# KiCad board Coral Dev Board Micro-PcbDoc.kicad_pcb (continued)
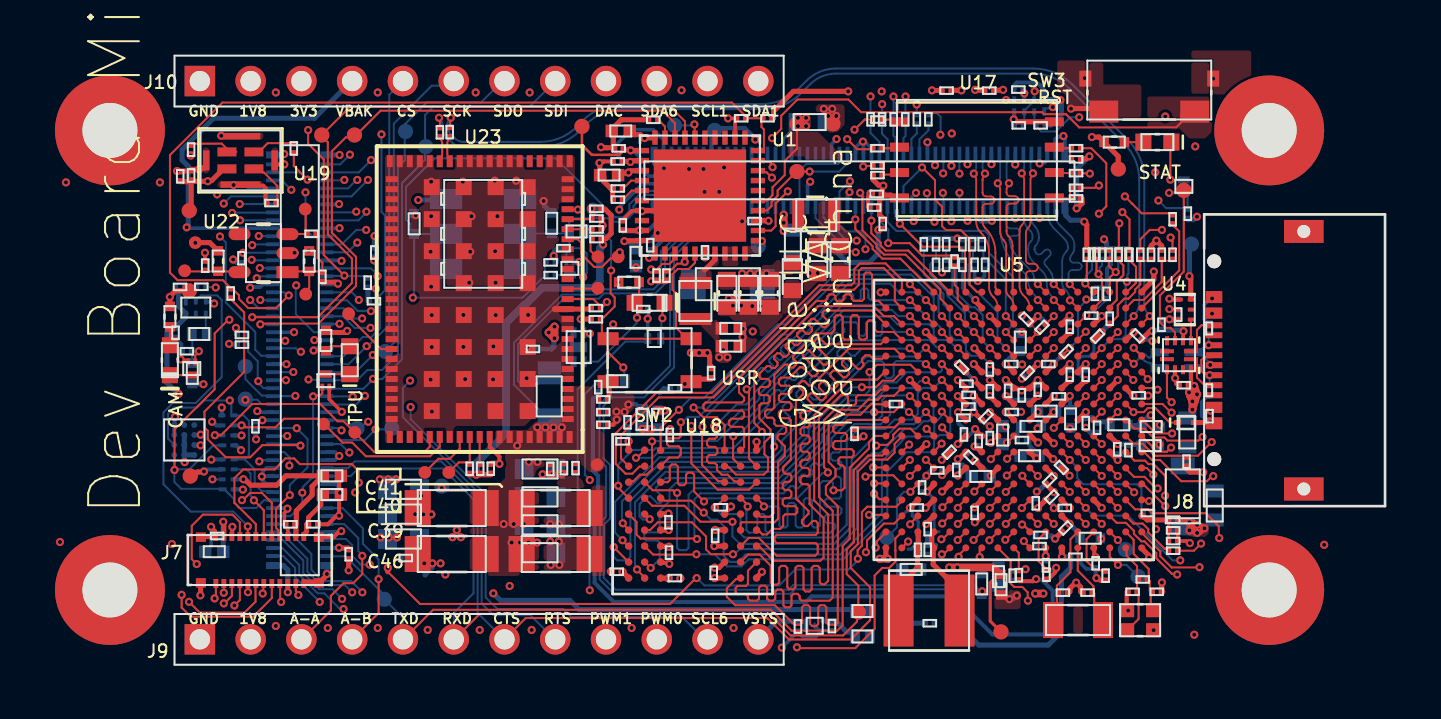
[diagram p0: board, top side]
## Routing (per net, layer and track width the routed paths; a pad name or vN(x,y) marks a point on that pad's centre or on a via; arc(x,y) is an arc through that point) (continued)
MIPI_DSI_D0_N: length 7.9
  Top w0.089: U5.A8 arc(41.81,18.71) 41.78,18.76 41.74,18.8 arc(41.71,18.83) 41.7,18.88 41.7,20.63 arc(41.57,21.29) 41.19,21.86 41.19,21.86 arc(41.09,22) 41.06,22.18 41.06,22.88 arc(41.11,23.01) 41.24,23.07 41.47,23.07 arc(41.6,23.12) 41.66,23.25 arc(41.6,23.38) 41.47,23.44 41.24,23.44 arc(41.11,23.49) 41.06,23.62 41.06,24.29 arc(41.07,24.37) 41.12,24.43 arc(41.16,24.5) v1(41.18,24.58)
  Bottom w0.089: 41.1,25.6 arc(41.07,25.55) 41.06,25.5 41.06,24.87 arc(41.07,24.79) 41.12,24.73
MIPI_DSI_D0_P: length 8
  Top w0.089: 40.74,24.29 40.74,22.17 arc(40.8,21.88) 40.96,21.64 40.97,21.63 arc(41.28,21.17) 41.38,20.62 41.38,18.88 arc(41.43,18.64) 41.57,18.43 41.6,18.4 arc(41.77,18.16) 41.82,17.87 U5.B8 ; 40.74,24.29 arc(40.73,24.37) 40.68,24.43 arc(40.64,24.5) v1(40.62,24.58)
  Bottom w0.089: 40.74,24.87 40.74,25.5 arc(40.73,25.55) J6.79 ; 40.68,24.73 arc(40.73,24.79) 40.74,24.87
MIPI_DSI_D1_N: length 7.9
  Top w0.089: v1(43.58,24.59) arc(43.56,24.51) 43.52,24.45 arc(43.47,24.38) 43.46,24.3 43.46,22.15 arc(43.43,22) 43.34,21.87 arc(43.26,21.74) 43.23,21.59 43.23,20.25 arc(43.28,20.12) 43.41,20.07 43.64,20.07 arc(43.77,20.01) 43.82,19.88 arc(43.77,19.75) 43.64,19.7 43.41,19.7 arc(43.28,19.64) 43.23,19.51 43.23,18.94 arc(43.23,18.88) 43.25,18.81 arc(43.28,18.77) 43.32,18.73 43.37,18.67 arc(43.4,18.65) U5.A10
  Bottom w0.089: 43.52,24.74 arc(43.47,24.81) 43.46,24.88 43.46,25.5 arc(43.47,25.55) 43.5,25.6
MIPI_DSI_D1_P: length 7.9
  Top w0.089: 43.14,24.3 43.14,22.28 arc(43.11,22.13) 43.03,22 arc(42.94,21.87) 42.91,21.72 42.91,18.94 arc(42.96,18.7) 43.09,18.5 43.19,18.4 arc(43.36,18.15) U5.B10 ; 43.14,24.3 arc(43.13,24.38) 43.08,24.45 arc(43.04,24.51) v1(43.02,24.59)
  Bottom w0.089: 43.14,24.88 43.14,25.5 arc(43.13,25.55) J6.91 ; 43.08,24.74 arc(43.13,24.81) 43.14,24.88
Net1: length 2515.6
  In4.Cu w0.013: 2.39,7.49 2.39,17.74 7.39,17.74 7.39,7.49 ; 2.32,26.74 6.32,26.74 6.32,23.74 2.32,23.74 2.32,26.74 ; 21.99,14.39 21.99,16.09 22.79,16.09 22.79,14.39 21.99,14.39 ; 29.99,16.09 30.79,16.09 30.79,14.39 29.99,14.39 29.99,16.09 ; 4.49,22.09 5.29,22.09 5.29,20.39 4.49,20.39 4.49,22.09 ; 1.14,2.99 1.14,7.49 8.64,7.49 8.64,2.99 1.14,2.99
  In9.Cu w0.013: 47.45,28.59 51.35,28.59 arc(52.05,28.69) 51.95,29.39 51.95,30.24 55.9,30.24 arc(58.02,29.36) 58.9,27.24 58.9,20.91 53.8,20.91 arc(53.45,20.76) 53.3,20.41 53.3,20.05 53.09,19.59 arc(53.06,19.49) 53.05,19.38 53.05,11.1 arc(53.06,10.99) 53.09,10.89 53.3,10.43 53.3,10.07 arc(53.45,9.72) 53.8,9.57 58.9,9.57 58.9,3.24 arc(58.02,1.12) 55.9,0.24 -3.1,0.24 arc(-5.22,1.12) -6.1,3.24 -6.1,27.24 arc(-5.22,29.36) -3.1,30.24 46.85,30.24 46.85,29.39 arc(46.75,28.69) 47.45,28.59
  In7.Cu w0.1: 8.2,13.72 8.2,14.72 ; 7.7,14.22 8.7,14.22 ; 24.63,15.82 24.63,16.82 ; 51.13,23.44 51.13,24.44 ; 20.41,19.34 20.41,20.34 ; 50.63,23.94 51.63,23.94 ; 24.13,16.32 25.13,16.32 ; 1.49,14.32 1.49,15.32 ; 19.91,19.84 20.91,19.84 ; 0.99,14.82 1.99,14.82 ; 22.26,25.54 23.46,25.54 23.46,26.14 22.26,26.14 22.26,25.54 ; 23.52,11.33 24.52,11.33 24.52,13.23 23.52,13.23 23.52,11.33 ; 22.2,24.89 23.4,24.89 23.4,25.49 22.2,25.49 22.2,24.89 ; 34.35,12.15 34.95,12.15 34.95,10.95 34.35,10.95 34.35,12.15 ; 15.96,8.98 15.96,10.63 14.83,10.63 14.83,8.98 15.96,8.98 ; 11.94,20.92 11.94,23.22 13.29,23.22 13.29,20.92 11.94,20.92 ; -0.4,13.64 1.2,13.64 1.2,16.84 -0.4,16.84 -0.4,13.64 ; 40.45,20.22 41.58,20.22 41.58,21.87 40.45,21.87 40.45,20.22 ; 41.44,13.05 41.87,12.63 41.02,11.78 40.59,12.2 41.44,13.05 ; 24.13,21.6 24.73,21.6 24.73,20.4 24.13,20.4 24.13,21.6 ; 18.7,11.58 18.7,15.28 20.06,15.28 20.06,11.58 18.7,11.58 ; 30.95,3.14 30.95,11.94 22.15,11.94 22.15,3.14 30.95,3.14 ; 17.37,4.86 20.47,4.86 20.47,6.36 17.37,6.36 17.37,4.86 ; 34.89,28.12 36.02,28.12 36.02,26.47 34.89,26.47 34.89,28.12 ; 6.04,25.01 7.17,25.01 7.17,26.67 6.04,26.67 6.04,25.01 ; 20.92,21.22 20.92,22.35 22.57,22.35 22.57,21.22 20.92,21.22 ; 16.49,8.98 16.49,10.63 15.36,10.63 15.36,8.98 16.49,8.98 ; 16.15,10.41 16.75,10.41 16.75,9.21 16.15,9.21 16.15,10.41 ; 49.46,19.69 50.59,19.69 50.59,21.34 49.46,21.34 49.46,19.69 ; 42.03,29.35 43.68,29.35 43.68,28.22 42.03,28.22 42.03,29.35 ; 47.03,12.36 48.73,12.36 48.73,11.66 47.03,11.66 47.03,12.36 ; 4.37,3.68 4.37,26.8 9.43,26.8 9.43,3.68 4.37,3.68 ; 3.17,19.35 3.17,21.05 2.47,21.05 2.47,19.35 3.17,19.35 ; 51.13,21.47 51.13,23.12 50,23.12 50,21.47 51.13,21.47 ; 40.7,12.06 40.7,12.66 39.5,12.66 39.5,12.06 40.7,12.06 ; 40.86,13.95 41.99,13.95 41.99,15.6 40.86,15.6 40.86,13.95 ; 44.28,13.13 44.28,13.73 45.48,13.73 45.48,13.13 44.28,13.13 ; 21.48,12.98 22.68,12.98 22.68,13.58 21.48,13.58 21.48,12.98 ; 37.26,4.93 38.39,4.93 38.39,6.58 37.26,6.58 37.26,4.93 ; 37.55,12.48 37.55,13.61 35.9,13.61 35.9,12.48 37.55,12.48 ; 31.18,17.04 31.18,20.14 29.68,20.14 29.68,17.04 31.18,17.04 ; 23.34,21.71 23.34,26.77 46.46,26.77 46.46,21.71 23.34,21.71 ; 1.53,23.34 6.33,23.34 6.33,27.14 1.53,27.14 1.53,23.34 ; 41.36,5.36 42.36,5.36 42.36,3.46 41.36,3.46 41.36,5.36 ; 46.81,21.34 47.94,21.34 47.94,19.69 46.81,19.69 46.81,21.34 ; 45.59,6.68 47.29,6.68 47.29,5.98 45.59,5.98 45.59,6.68 ; 25.8,19.95 30.82,19.95 30.82,18.13 25.8,18.13 25.8,19.95 ; 10.54,7.04 13.64,7.04 13.64,5.54 10.54,5.54 10.54,7.04 ; 51.83,9.42 53.53,9.42 53.53,6.52 51.83,6.52 51.83,9.42 ; 25.05,6.53 25.05,7.73 25.65,7.73 25.65,6.53 25.05,6.53 ; 8.88,14.04 9.93,14.04 9.93,16.44 8.88,16.44 8.88,14.04 ; 50.28,16.7 51.41,16.7 51.41,18.35 50.28,18.35 50.28,16.7 ; 5.83,6.73 7.03,6.73 7.03,7.33 5.83,7.33 5.83,6.73 ; 0.89,14.12 2.09,14.12 2.09,15.52 0.89,15.52 0.89,14.12 ; 1.73,18.34 1.73,19.47 0.08,19.47 0.08,18.34 1.73,18.34 ; 21,13.04 21,17.44 27.8,17.44 27.8,13.04 21,13.04 ; 39.8,20.22 39.8,21.87 38.67,21.87 38.67,20.22 39.8,20.22 ; 46.56,25.28 46.56,26.41 44.91,26.41 44.91,25.28 46.56,25.28 ; 23.98,26.97 25.18,26.97 25.18,27.57 23.98,27.57 23.98,26.97 ; 43.3,15.3 43.3,17 42.6,17 42.6,15.3 43.3,15.3 ; 32.12,1.31 32.12,2.51 31.52,2.51 31.52,1.31 32.12,1.31 ; 3.42,19.52 4.55,19.52 4.55,21.17 3.42,21.17 3.42,19.52 ; 47.52,3.85 47.52,5.05 46.92,5.05 46.92,3.85 47.52,3.85 ; 42.31,5.31 43.44,5.31 43.44,3.66 42.31,3.66 42.31,5.31 ; 37.18,26.47 37.18,28.12 36.05,28.12 36.05,26.47 37.18,26.47 ; 23,11.53 23,12.73 23.6,12.73 23.6,11.53 23,11.53 ; 9.73,19.95 10.86,19.95 10.86,18.3 9.73,18.3 9.73,19.95 ; 2.88,17.76 4.01,17.76 4.01,19.41 2.88,19.41 2.88,17.76 ; 27.31,3.99 27.91,3.99 27.91,5.19 27.31,5.19 27.31,3.99 ; 0.62,25.04 1.22,25.04 1.22,23.84 0.62,23.84 0.62,25.04 ; 41.72,10.75 41.72,11.95 41.12,11.95 41.12,10.75 41.72,10.75 ; 7.72,19.35 7.72,21.05 7.02,21.05 7.02,19.35 7.72,19.35 ; 22.01,26.21 23.91,26.21 23.91,27.21 22.01,27.21 22.01,26.21 ; 39.75,12.62 39.75,13.22 40.95,13.22 40.95,12.62 39.75,12.62 ; 2.2,13.43 2.2,15.73 0.85,15.73 0.85,13.43 2.2,13.43 ; 45.72,13.92 45.72,15.12 45.12,15.12 45.12,13.92 45.72,13.92 ; 31.12,26.78 31.12,27.91 29.47,27.91 29.47,26.78 31.12,26.78 ; 20.28,18.93 20.28,20.06 18.63,20.06 18.63,18.93 20.28,18.93 ; 50.19,11.4 50.19,12.85 52.29,12.85 52.29,11.4 50.19,11.4 ; 45.1,31.04 53.7,31.04 53.7,26.33 45.1,26.33 45.1,31.04 ; -0.13,-0.72 31.87,-0.72 31.87,3.33 -0.13,3.33 -0.13,-0.72 ; 44.91,24.04 46.56,24.04 46.56,25.17 44.91,25.17 44.91,24.04 ; 41.75,19.19 41.75,20.84 40.62,20.84 40.62,19.19 41.75,19.19 ; 44.91,22.77 44.91,23.9 46.56,23.9 46.56,22.77 44.91,22.77 ; 24.68,18.65 24.68,20.3 25.81,20.3 25.81,18.65 24.68,18.65 ; 48.66,10.14 48.66,11.34 48.06,11.34 48.06,10.14 48.66,10.14 ; 46.7,17.74 46.7,19.39 47.83,19.39 47.83,17.74 46.7,17.74 ; 43.14,27.56 44.79,27.56 44.79,26.43 43.14,26.43 43.14,27.56 ; -0.29,9.82 -0.29,12.68 2.53,12.68 2.53,9.82 -0.29,9.82 ; 13.83,27.48 14.96,27.48 14.96,25.83 13.83,25.83 13.83,27.48 ; 22.21,19.82 24.51,19.82 24.51,18.47 22.21,18.47 22.21,19.82 ; 27.51,15.44 27.51,16.44 29.41,16.44 29.41,15.44 27.51,15.44 ; 48.43,19.7 48.43,21.35 47.3,21.35 47.3,19.7 48.43,19.7 ; -0.13,27.22 31.87,27.22 31.87,31.27 -0.13,31.27 -0.13,27.22 ; 48.59,11.32 50.29,11.32 50.29,10.62 48.59,10.62 48.59,11.32 ; 45.12,16.32 45.72,16.32 45.72,17.52 45.12,17.52 45.12,16.32 ; 44.48,3.31 44.48,3.91 45.68,3.91 45.68,3.31 44.48,3.31 ; 23.22,19.44 23.22,21.34 24.22,21.34 24.22,19.44 23.22,19.44 ; 21.85,14.49 21.85,17.29 19.85,17.29 19.85,14.49 21.85,14.49 ; 39.38,15.1 39.8,15.53 40.65,14.68 40.23,14.25 39.38,15.1 ; 10.93,20.03 10.93,21.23 10.33,21.23 10.33,20.03 10.93,20.03 ; 38.17,19.19 39.3,19.19 39.3,20.84 38.17,20.84 38.17,19.19 ; 40.96,13.21 40.96,13.81 39.76,13.81 39.76,13.21 40.96,13.21 ; 40.22,19.35 40.22,21 39.09,21 39.09,19.35 40.22,19.35 ; 7.55,8.02 7.55,9.02 9.45,9.02 9.45,8.02 7.55,8.02 ; 2.16,6.14 3.36,6.14 3.36,6.74 2.16,6.74 2.16,6.14 ; 42.05,26.43 42.05,27.56 43.7,27.56 43.7,26.43 42.05,26.43 ; 24.85,12.32 25.98,12.32 25.98,10.67 24.85,10.67 24.85,12.32 ; 35.12,4.75 35.12,19.75 50.12,19.75 50.12,4.75 35.12,4.75 ; 21.48,11.71 21.48,12.31 22.68,12.31 22.68,11.71 21.48,11.71 ; 31.76,1.2 33.56,1.2 33.56,2.7 31.76,2.7 31.76,1.2 ; 27.14,8.44 28.79,8.44 28.79,7.31 27.14,7.31 27.14,8.44 ; 43.52,14.37 44.12,14.37 44.12,13.17 43.52,13.17 43.52,14.37 ; 0.65,15.99 1.85,15.99 1.85,15.39 0.65,15.39 0.65,15.99 ; 17.37,7.65 20.47,7.65 20.47,9.15 17.37,9.15 17.37,7.65 ; 38.17,20.22 39.3,20.22 39.3,21.87 38.17,21.87 38.17,20.22 ; 9.78,17.63 11.43,17.63 11.43,18.76 9.78,18.76 9.78,17.63 ; 51.13,19.69 51.13,21.34 50,21.34 50,19.69 51.13,19.69 ; 40.67,9.74 41.09,10.17 40.25,11.02 39.82,10.59 40.67,9.74 ; 50.45,10.18 50.45,13.08 52.15,13.08 52.15,10.18 50.45,10.18 ; 49.77,6.69 51.42,6.69 51.42,7.82 49.77,7.82 49.77,6.69 ; 0.57,16.97 2.82,16.97 2.82,18.77 0.57,18.77 0.57,16.97 ; 32.06,18.72 32.06,21.82 33.56,21.82 33.56,18.72 32.06,18.72 ; 43.93,4.37 43.93,5.57 44.53,5.57 44.53,4.37 43.93,4.37 ; 21.26,14.72 22.39,14.72 22.39,13.07 21.26,13.07 21.26,14.72 ; 1.87,19.37 1.87,20.57 2.47,20.57 2.47,19.37 1.87,19.37 ; 48.5,8.16 50.15,8.16 50.15,7.03 48.5,7.03 48.5,8.16 ; 20.39,9.24 20.99,9.24 20.99,10.44 20.39,10.44 20.39,9.24 ; 52.11,11.84 52.11,13.04 52.71,13.04 52.71,11.84 52.11,11.84 ; 45.42,7.48 45.84,7.05 44.99,6.21 44.57,6.63 45.42,7.48 ; 22.56,21.77 22.56,22.9 20.91,22.9 20.91,21.77 22.56,21.77 ; 41.56,10.54 41.56,12.44 42.56,12.44 42.56,10.54 41.56,10.54 ; 17.37,6.25 17.37,7.75 20.47,7.75 20.47,6.25 17.37,6.25 ; 40.1,19.19 40.1,20.84 41.23,20.84 41.23,19.19 40.1,19.19 ; 47.72,16.72 47.72,17.92 47.12,17.92 47.12,16.72 47.72,16.72 ; 44.91,25.86 46.56,25.86 46.56,24.73 44.91,24.73 44.91,25.86 ; 48.25,3.7 49.9,3.7 49.9,4.83 48.25,4.83 48.25,3.7 ; 46.19,21.34 47.32,21.34 47.32,19.69 46.19,19.69 46.19,21.34 ; 39.86,28.43 39.86,29.03 38.66,29.03 38.66,28.43 39.86,28.43 ; 27.52,17.04 27.52,20.14 29.02,20.14 29.02,17.04 27.52,17.04 ; 48.44,19.69 48.44,21.34 47.31,21.34 47.31,19.69 48.44,19.69 ; 1.67,6.16 3.57,6.16 3.57,5.16 1.67,5.16 1.67,6.16 ; 19.81,19.14 21.01,19.14 21.01,20.54 19.81,20.54 19.81,19.14 ; 37.17,7.57 38.37,7.57 38.37,8.17 37.17,8.17 37.17,7.57 ; 10.54,8.03 10.54,9.53 13.64,9.53 13.64,8.03 10.54,8.03 ; 43.36,6.79 44.56,6.79 44.56,6.19 43.36,6.19 43.36,6.79 ; 43.69,3.54 47.99,3.54 47.99,0.94 43.69,0.94 43.69,3.54 ; 38.67,20.84 39.8,20.84 39.8,19.19 38.67,19.19 38.67,20.84 ; 43.12,12.35 43.12,12.95 41.92,12.95 41.92,12.35 43.12,12.35 ; 49.99,7.02 51.19,7.02 51.19,6.42 49.99,6.42 49.99,7.02 ; 39.49,19.19 39.49,20.84 40.62,20.84 40.62,19.19 39.49,19.19 ; 36.54,4.27 36.54,5.27 38.44,5.27 38.44,4.27 36.54,4.27 ; 17.37,9.05 17.37,10.55 20.47,10.55 20.47,9.05 17.37,9.05 ; 48.92,19.69 50.05,19.69 50.05,21.34 48.92,21.34 48.92,19.69 ; 35.16,23.26 36.36,23.26 36.36,23.86 35.16,23.86 35.16,23.26 ; 39.83,10.92 40.43,10.92 40.43,12.12 39.83,12.12 39.83,10.92 ; 40.85,13.76 40.85,14.36 39.65,14.36 39.65,13.76 40.85,13.76 ; 42.04,13.11 42.04,14.31 42.64,14.31 42.64,13.11 42.04,13.11 ; 22.15,4.35 22.15,4.95 23.35,4.95 23.35,4.35 22.15,4.35 ; 6.67,21 6.67,22.13 8.32,22.13 8.32,21 6.67,21 ; 40.79,29.03 41.99,29.03 41.99,28.43 40.79,28.43 40.79,29.03 ; 42.32,14.42 43.12,13.62 44.29,14.79 43.49,15.58 42.32,14.42 ; 0.38,17.21 0.98,17.21 0.98,16.01 0.38,16.01 0.38,17.21 ; 24.18,18.65 24.18,20.3 25.31,20.3 25.31,18.65 24.18,18.65 ; 40.62,20.22 40.62,21.87 39.49,21.87 39.49,20.22 40.62,20.22 ; 18.62,19.57 18.62,20.7 20.27,20.7 20.27,19.57 18.62,19.57 ; -0.27,16.27 1.08,16.27 1.08,18.57 -0.27,18.57 -0.27,16.27 ; 11.6,5.04 12.8,5.04 12.8,5.64 11.6,5.64 11.6,5.04 ; 18.83,23.25 20.18,23.25 20.18,20.95 18.83,20.95 18.83,23.25 ; 20.92,20.74 22.57,20.74 22.57,21.87 20.92,21.87 20.92,20.74 ; 41.89,15.35 43.09,15.35 43.09,14.75 41.89,14.75 41.89,15.35 ; 42.27,3.86 42.87,3.86 42.87,5.06 42.27,5.06 42.27,3.86 ; 47.02,4.48 47.02,5.68 46.42,5.68 46.42,4.48 47.02,4.48 ; 49.83,6.07 52.33,6.07 52.33,10.78 49.83,10.78 49.83,6.07 ; 51.35,23.34 62,23.34 62,7.13 51.35,7.13 51.35,23.34 ; 8.9,3.44 8.9,7.04 0.9,7.04 0.9,3.44 8.9,3.44 ; 44.37,10.09 45.22,9.24 45.64,9.66 44.79,10.51 44.37,10.09 ; 39.97,21.87 41.1,21.87 41.1,20.22 39.97,20.22 39.97,21.87 ; 29.81,26.78 29.81,27.91 28.16,27.91 28.16,26.78 29.81,26.78 ; 47.49,0.98 50.39,0.98 50.39,3.48 47.49,3.48 47.49,0.98 ; 7.6,14.92 8.8,14.92 8.8,13.52 7.6,13.52 7.6,14.92 ; 46.47,21.34 47.6,21.34 47.6,19.69 46.47,19.69 46.47,21.34 ; 48.61,26.68 51.01,26.68 51.01,25.63 48.61,25.63 48.61,26.68 ; 7.73,18.81 7.73,20.01 8.33,20.01 8.33,18.81 7.73,18.81 ; 16.55,7.24 22.85,7.24 22.85,3.84 16.55,3.84 16.55,7.24 ; 13.34,25.82 13.34,27.47 14.47,27.47 14.47,25.82 13.34,25.82 ; 50.31,16.41 50.31,17.61 49.71,17.61 49.71,16.41 50.31,16.41 ; 2.93,22.45 7.23,22.45 7.23,18.75 2.93,18.75 2.93,22.45 ; 43.77,9.02 44.62,9.87 45.05,9.45 44.2,8.6 43.77,9.02 ; 41.63,3.16 41.63,4.86 42.33,4.86 42.33,3.16 41.63,3.16 ; 27.18,15.19 27.78,15.19 27.78,13.99 27.18,13.99 27.18,15.19 ; 30.1,17.04 30.1,20.14 28.6,20.14 28.6,17.04 30.1,17.04 ; 48.39,19.69 49.52,19.69 49.52,21.34 48.39,21.34 48.39,19.69 ; 1.16,23.89 1.76,23.89 1.76,25.09 1.16,25.09 1.16,23.89 ; 45.53,21.87 45.53,28.67 36.03,28.67 36.03,21.87 45.53,21.87 ; 42.43,10.94 43.63,10.94 43.63,11.54 42.43,11.54 42.43,10.94 ; 47.5,10.18 47.5,11.38 48.1,11.38 48.1,10.18 47.5,10.18 ; 1.15,19.48 2.8,19.48 2.8,18.35 1.15,18.35 1.15,19.48 ; 37.21,26.47 38.34,26.47 38.34,28.12 37.21,28.12 37.21,26.47 ; 45.92,11.49 46.52,11.49 46.52,12.69 45.92,12.69 45.92,11.49 ; 42.72,14.08 43.32,14.08 43.32,12.88 42.72,12.88 42.72,14.08 ; 4.83,15.46 4.83,16.58 3.18,16.58 3.18,15.46 4.83,15.46 ; 49.77,5.14 49.77,6.27 51.42,6.27 51.42,5.14 49.77,5.14 ; 26.26,4.04 26.26,4.64 25.06,4.64 25.06,4.04 26.26,4.04 ; 47.97,3.35 49.17,3.35 49.17,3.95 47.97,3.95 47.97,3.35 ; 31.02,19.87 31.02,22.17 32.12,22.17 32.12,19.87 31.02,19.87 ; 34.13,21.3 34.13,23.69 31.34,23.69 31.34,21.3 34.13,21.3 ; 19.27,20.28 20.92,20.28 20.92,21.41 19.27,21.41 19.27,20.28 ; 46.12,17.74 46.12,19.39 47.25,19.39 47.25,17.74 46.12,17.74 ; 45.77,7.55 45.77,8.15 44.57,8.15 44.57,7.55 45.77,7.55 ; 47.79,21.35 48.92,21.35 48.92,19.7 47.79,19.7 47.79,21.35 ; 22.76,21.39 23.36,21.39 23.36,22.59 22.76,22.59 22.76,21.39 ; 6.97,7.33 8.17,7.33 8.17,6.73 6.97,6.73 6.97,7.33 ; 45.67,18.04 47.32,18.04 47.32,16.91 45.67,16.91 45.67,18.04 ; 23.32,24 23.32,25 21.42,25 21.42,24 23.32,24 ; 23.26,17.23 23.26,18.36 24.91,18.36 24.91,17.23 23.26,17.23 ; 44.27,15.49 45.07,14.69 46.23,15.86 45.43,16.66 44.27,15.49 ; 11.35,6.14 11.35,9.54 17.65,9.54 17.65,6.14 11.35,6.14 ; 46.31,5.1 46.31,5.7 45.11,5.7 45.11,5.1 46.31,5.1 ; 49.03,15.82 49.45,16.24 48.6,17.09 48.18,16.67 49.03,15.82 ; 45.71,19.69 45.71,21.34 46.84,21.34 46.84,19.69 45.71,19.69 ; 42.63,11.58 44.33,11.58 44.33,12.28 42.63,12.28 42.63,11.58 ; 34.98,23.94 34.98,25.07 36.63,25.07 36.63,23.94 34.98,23.94 ; 51.42,5.63 51.42,6.76 49.77,6.76 49.77,5.63 51.42,5.63 ; 45.96,19.69 45.96,21.34 47.09,21.34 47.09,19.69 45.96,19.69 ; 41.16,10.59 41.16,11.79 40.56,11.79 40.56,10.59 41.16,10.59 ; 36.63,21.23 36.63,22.88 35.5,22.88 35.5,21.23 36.63,21.23 ; 42.26,17.48 43.06,18.28 44.23,17.12 43.43,16.32 42.26,17.48 ; 17.65,3.84 17.65,7.24 11.35,7.24 11.35,3.84 17.65,3.84 ; 43.08,5.37 44.73,5.37 44.73,6.5 43.08,6.5 43.08,5.37 ; 22.45,10.88 23.65,10.88 23.65,11.48 22.45,11.48 22.45,10.88 ; 43.29,12.19 45.19,12.19 45.19,13.19 43.29,13.19 43.29,12.19 ; 27.51,16.33 27.51,17.33 29.41,17.33 29.41,16.33 27.51,16.33 ; 50.53,13.69 50.53,14.29 51.73,14.29 51.73,13.69 50.53,13.69 ; 44.91,23.3 46.56,23.3 46.56,24.43 44.91,24.43 44.91,23.3 ; 40.02,8.92 40.02,9.92 41.92,9.92 41.92,8.92 40.02,8.92 ; 10.54,6.79 13.64,6.79 13.64,8.29 10.54,8.29 10.54,6.79 ; 22.8,17.31 26,17.31 26,18.91 22.8,18.91 22.8,17.31 ; 33.22,1.33 33.22,2.53 33.82,2.53 33.82,1.33 33.22,1.33 ; 50.53,23.24 50.53,24.64 51.73,24.64 51.73,23.24 50.53,23.24 ; 4.12,11.11 5.25,11.11 5.25,12.76 4.12,12.76 4.12,11.11 ; 36.23,22.58 36.23,23.18 35.03,23.18 35.03,22.58 36.23,22.58 ; 23.93,16.92 25.33,16.92 25.33,15.72 23.93,15.72 23.93,16.92 ; 43.75,15.35 44.95,15.35 44.95,14.75 43.75,14.75 43.75,15.35 ; 44.82,3.68 44.82,5.33 43.69,5.33 43.69,3.68 44.82,3.68 ; 39.25,1.51 39.25,2.64 37.6,2.64 37.6,1.51 39.25,1.51 ; 20.42,9.24 20.42,10.44 19.82,10.44 19.82,9.24 20.42,9.24 ; 41.12,13.08 41.72,13.08 41.72,14.28 41.12,14.28 41.12,13.08 ; 46.99,17.42 47.79,16.62 46.63,15.45 45.83,16.25 46.99,17.42 ; 25.14,11.43 25.14,13.13 24.44,13.13 24.44,11.43 25.14,11.43 ; 47.09,11.26 47.09,12.46 46.49,12.46 46.49,11.26 47.09,11.26 ; 20.89,17.28 20.89,18.41 22.54,18.41 22.54,17.28 20.89,17.28 ; 46.5,25.48 48.8,25.48 48.8,26.83 46.5,26.83 46.5,25.48 ; 19.73,9.2 19.73,10.4 19.13,10.4 19.13,9.2 19.73,9.2 ; 22.56,22.25 22.56,23.38 20.91,23.38 20.91,22.25 22.56,22.25 ; 27.74,19.81 27.74,21.46 26.61,21.46 26.61,19.81 27.74,19.81 ; 23.32,19.88 30.52,19.88 30.52,27.08 23.32,27.08 23.32,19.88 ; 48.64,12.27 50.34,12.27 50.34,11.57 48.64,11.57 48.64,12.27 ; 37.73,9.47 38.33,9.47 38.33,8.27 37.73,8.27 37.73,9.47 ; 16.55,6.14 16.55,9.54 22.85,9.54 22.85,6.14 16.55,6.14 ; 38.88,5.96 38.88,7.61 37.75,7.61 37.75,5.96 38.88,5.96 ; 21.99,24.4 23.64,24.4 23.64,23.27 21.99,23.27 21.99,24.4 ; 38.76,10.42 39.18,10 40.03,10.85 39.6,11.27 38.76,10.42 ; 21.48,12.34 21.48,12.94 22.68,12.94 22.68,12.34 21.48,12.34 ; 20.89,17.86 22.54,17.86 22.54,16.72 20.89,16.72 20.89,17.86 ; 49.18,3.95 50.38,3.95 50.38,3.35 49.18,3.35 49.18,3.95 ; 12.62,18.06 19.52,18.06 19.52,25.06 12.62,25.06 12.62,18.06 ; 31.26,26.61 31.26,27.71 33.56,27.71 33.56,26.61 31.26,26.61 ; 43.42,7.48 43.42,8.68 44.02,8.68 44.02,7.48 43.42,7.48 ; 51.83,9.34 51.83,10.99 50.7,10.99 50.7,9.34 51.83,9.34 ; 36.63,26.72 36.63,27.85 34.98,27.85 34.98,26.72 36.63,26.72 ; 42.45,9.96 44.35,9.96 44.35,10.96 42.45,10.96 42.45,9.96 ; 23.41,22.98 23.41,23.58 22.21,23.58 22.21,22.98 23.41,22.98 ; 44.31,7.76 45.16,8.61 44.73,9.04 43.89,8.19 44.31,7.76 ; 50.76,23.4 51.89,23.4 51.89,21.75 50.76,21.75 50.76,23.4 ; 37.56,20.22 38.69,20.22 38.69,21.87 37.56,21.87 37.56,20.22 ; 35.71,0.31 41.06,0.31 41.06,5.11 35.71,5.11 35.71,0.31 ; 25.5,16.81 27.89,16.81 27.89,19.6 25.5,19.6 25.5,16.81 ; 36.6,26.47 36.6,28.12 35.47,28.12 35.47,26.47 36.6,26.47 ; 37.75,6.58 38.88,6.58 38.88,4.93 37.75,4.93 37.75,6.58 ; 9.04,6.13 9.64,6.13 9.64,4.93 9.04,4.93 9.04,6.13 ; 50.28,18.9 52.08,18.9 52.08,16.65 50.28,16.65 50.28,18.9 ; 2.03,24.95 2.03,26.6 0.9,26.6 0.9,24.95 2.03,24.95 ; 4.66,23.67 6.31,23.67 6.31,22.54 4.66,22.54 4.66,23.67 ; 30.79,17.87 32.29,17.87 32.29,20.97 30.79,20.97 30.79,17.87 ; 40.05,9.15 40.05,10.35 39.45,10.35 39.45,9.15 40.05,9.15 ; 45.71,3.31 45.71,3.91 46.91,3.91 46.91,3.31 45.71,3.31 ; 47.85,21.34 48.98,21.34 48.98,19.69 47.85,19.69 47.85,21.34 ; 45.11,11.45 45.81,11.45 45.81,13.15 45.11,13.15 45.11,11.45 ; 38.92,26.47 38.92,28.12 37.79,28.12 37.79,26.47 38.92,26.47 ; 38.19,9.42 39.39,9.42 39.39,10.02 38.19,10.02 38.19,9.42 ; 40.67,3.19 40.67,4.89 41.37,4.89 41.37,3.19 40.67,3.19 ; 44.22,17.87 45.02,17.07 43.85,15.91 43.05,16.71 44.22,17.87 ; 30.25,21.9 30.25,22.5 29.05,22.5 29.05,21.9 30.25,21.9 ; 7.53,17.37 8.88,17.37 8.88,15.07 7.53,15.07 7.53,17.37 ; 49.49,14.09 52.29,14.09 52.29,16.89 49.49,16.89 49.49,14.09 ; 37.76,26.47 37.76,28.12 36.63,28.12 36.63,26.47 37.76,26.47 ; 3.18,15.94 4.83,15.94 4.83,17.07 3.18,17.07 3.18,15.94 ; 34.98,25.55 36.63,25.55 36.63,24.42 34.98,24.42 34.98,25.55 ; 33.18,18.72 33.18,21.82 34.68,21.82 34.68,18.72 33.18,18.72 ; 34.98,25.28 36.63,25.28 36.63,26.41 34.98,26.41 34.98,25.28 ; 7.55,8.95 9.45,8.95 9.45,9.95 7.55,9.95 7.55,8.95
  In11.Cu w0.1: 51.94,29.3 51.95,29.18 51.99,29.09 52,29.01 51.96,28.85 51.89,28.72 51.82,28.65 51.72,28.58 51.63,28.53 51.47,28.51 51.34,28.52 51.18,28.59 47.53,28.61 47.37,28.52 47.25,28.51 47.07,28.55 46.89,28.64 46.78,28.8 46.74,28.94 46.74,29.09 46.85,29.54 46.85,30.24 ; 46.47,30.24 45.03,30.24 45.18,29.84 45.25,29.62 45.29,29.43 45.32,29.3 45.35,29.09 45.35,28.99 45.37,28.9 45.35,28.69 45.34,28.54 45.27,28.1 45.26,27.83 45.23,27.6 45.21,27.4 45.18,27.16 45.18,27.03 45.21,26.88 45.29,26.75 45.41,26.61 45.55,26.57 45.69,26.56 45.9,26.6 46.13,26.61 46.39,26.62 46.65,26.59 46.89,26.55 47.18,26.5 47.54,26.45 47.85,26.41 48.18,26.36 48.43,26.31 48.62,26.28 48.86,26.26 49.03,26.27 49.35,26.31 49.57,26.28 49.92,26.26 50.15,26.3 50.54,26.35 50.87,26.41 50.98,26.42 51.2,26.45 51.43,26.49 51.74,26.54 51.94,26.57 52.17,26.61 52.34,26.61 52.58,26.61 52.8,26.59 52.88,26.57 53.03,26.56 53.13,26.56 53.21,26.6 53.41,26.73 53.51,26.89 53.53,27 53.53,27.11 53.52,27.21 53.47,27.63 53.41,28.12 53.38,28.38 53.34,28.7 53.34,28.98 53.36,29.15 53.39,29.35 53.5,29.81 53.64,30.24 51.95,30.24 51.95,29.3 ; 59,23.91 59,20.91 53.3,20.91 53.3,19.99 53.05,19.68 53.05,10.8 53.3,10.49 53.3,9.57 59,9.57 59,6.57
  In8.Cu w0.13: 46.3,30.24 46.83,30.24 ; 51.95,30.24 52.5,30.24
NetC34_1: length 2.6
  Top w0.102: 34.58,11.83 34.63,11.88 36.65,11.88 U5.J2
NetC57_1: length 2.2
  Top w0.102: v1(41.48,11.11) U5.K8 ; v1(41.47,10.29) 41.47,10.3 U5.L8 ; U5.K9 42.28,11.11 v1(42.27,11.11)
  Bottom w0.2: C269.1 42.8,11.66 42.83,11.69 42.83,11.79 R117.1
NetC242_1: length 1.1
  Top w0.254: U5.D14 v1(47.02,16.65)
  Bottom w0.102: 47.39,17.05 47.42,17.05 ; v1(47.02,16.65) 47.02,16.68
  Bottom w0.254: 47.02,16.68 47.39,17.05
NetQ4_3: length 1.3
  Bottom w0.102: 19.75,19.5 19.83,19.5 20.17,19.5 Q4.3 20.4,19.5 19.8,19.5
NetR12_1: length 1.2
  Bottom w0.102: 1.67,18.92 1.22,18.92 1.2,18.9 1.2,18.15 U3.1
NetTP8_1: length 1.6
  Top w0.102: 26.67,26.47 26.66,26.48 26.66,27.03 v1(26.64,27.04)
  Bottom w0.102: v1(26.64,27.04) 26.59,26.99 TP8.1
NetTP40_1: length 3
  Top w0.102: u23.37 10.97,15.8 9.5,17.27 9.34,17.43 TP40.1
NetTP44_1: length 2.8
  Top w0.102: TP44.1 13.83,10.31 14.4,10.31 14.9,10.81 u23.52
ONOFF: length 42.2
  Top w0.102: U5.U10 43.42,5.87 43.13,6.17 v1(43.13,6.19)
  In2.Cu w0.102: v1(43.13,6.19) 43.13,5.71 41.6,4.18 41.6,3.44 41.27,3.12 38.42,3.12 38.12,3.42 33.96,3.42 30.25,7.13 29.51,7.13 28.83,7.82 28.83,8.17 28.37,8.63 26.44,8.63 25.95,8.15 22.53,8.15 22.04,8.63 22.04,9.11 20.65,10.51 18.16,10.51 17.34,9.7 16.2,9.7 15.27,10.62 v1(9.38,10.62)
  Bottom w0.102: 8.26,11.04 8.94,11.04 9.36,10.62 v1(9.38,10.62)
OTG1_D_N: length 2.2
  Top w0.102: U5.E16 48.62,15.05
  Bottom w0.102: v1(48.62,15.06) 48.85,15.28 arc(48.9,15.32) 48.97,15.33 arc(49.04,15.32) 49.1,15.28 49.17,15.21 arc(49.28,15.14) 49.4,15.11 ; L7.2 49.77,14.84 arc(49.67,14.86) 49.59,14.92 49.54,14.97 arc(49.52,14.99) 49.51,15.02 arc(49.51,15.05) 49.49,15.07 arc(49.45,15.1) 49.4,15.11
OTG1_D_P: length 2.2
  Top w0.102: 48.62,15.85 U5.E17
  Bottom w0.102: L7.3 49.77,15.64 arc(49.67,15.62) 49.59,15.56 49.54,15.51 arc(49.52,15.49) 49.51,15.46 arc(49.51,15.43) 49.49,15.41 49.48,15.4 arc(49.45,15.37) 49.41,15.37 arc(49.37,15.37) 49.34,15.4 49.24,15.5 arc(49.14,15.56) 49.02,15.59 arc(48.91,15.61) 48.81,15.68 v1(48.62,15.86)
PMIC_ON_REQ: length 57.4
  Top w0.102: v1(6.93,10.97) 6.9,10.99 5.03,10.99 4.42,10.38 3.2,10.38 2.29,11.28 2.29,11.71 2.13,11.87 2.13,12.67 4.12,14.65 4.12,17.63 3.47,18.28 3.44,18.28 ; U5.U9 42.87,5.6 42.87,4.78 v1(43.21,4.78)
  In2.Cu w0.102: v1(6.93,10.97) 8.15,9.75 13.05,9.75 13.96,8.84 v1(14,8.84) 15.15,8.84 16.28,7.71 23.24,7.71 24.58,6.37 25.95,6.37 26.26,6.67 27.12,6.67 27.4,6.39 30.15,6.39 33.52,3.02 37.95,3.02 38.25,2.71 41.44,2.71 42.05,3.31 42.05,3.62 v1(43.21,4.78)
  Bottom w0.102: v1(6.93,10.97) 6.85,10.97 6.77,11.04 J5.29
PMIC_STBY_REQ: length 40.4
  Top w0.102: U5.T9 42.23,6.25 v1(42.2,6.25)
  In2.Cu w0.102: v1(42.2,6.25) 42.2,5.88 40.22,3.9 38.63,3.9 38.5,4.03 34.36,4.03 31.99,6.4 31.99,6.87 29.45,9.42 25.17,9.42 24.91,9.16 23.21,9.16 21.15,11.22 18.65,11.22 18.17,11.7 10.9,11.7 10.88,11.72 10.75,11.72 v1(10.69,11.78)
  Bottom w0.102: 11.25,11.83 11.2,11.78 v1(10.69,11.78) 10.15,11.24 8.94,11.24 8.74,11.44 8.26,11.44
POR_B: length 88.2
  Top w0.102: U5.T10 43.42,6.67 43.07,7.02 v1(43.04,7.02) ; v1(31.31,23.69) 30.7,23.08 30.7,21.95 30.49,21.73 U1.22 ; v1(30.53,26.36) 30.98,26.82 30.98,27.48 31.8,28.29 34.35,28.29 34.98,27.65 44.04,27.65 44.14,27.55 45.23,27.55 45.89,26.89 50.75,26.89 51,27.15 51,27.55 51.27,27.82
  In2.Cu w0.102: v1(31.31,23.69) 31.34,23.69 31.91,23.11 31.91,21 34.77,18.15 36.77,18.15 37.27,18.65 38.36,18.65 38.94,18.07 39.9,18.07 40.26,17.71 40.26,16.48 40.44,16.29 40.7,16.29 41.02,15.97 41.02,14.85 41.27,14.6 41.57,14.6 41.84,14.33 41.84,13.32 42.12,13.05 42.33,13.05 42.58,12.8 42.58,12.46 43.15,11.89 43.15,10.46 43.4,10.2 43.4,7.38 v1(43.04,7.02)